# Allegro board pc065c_fibv2_toplevel_28.brd (continued)
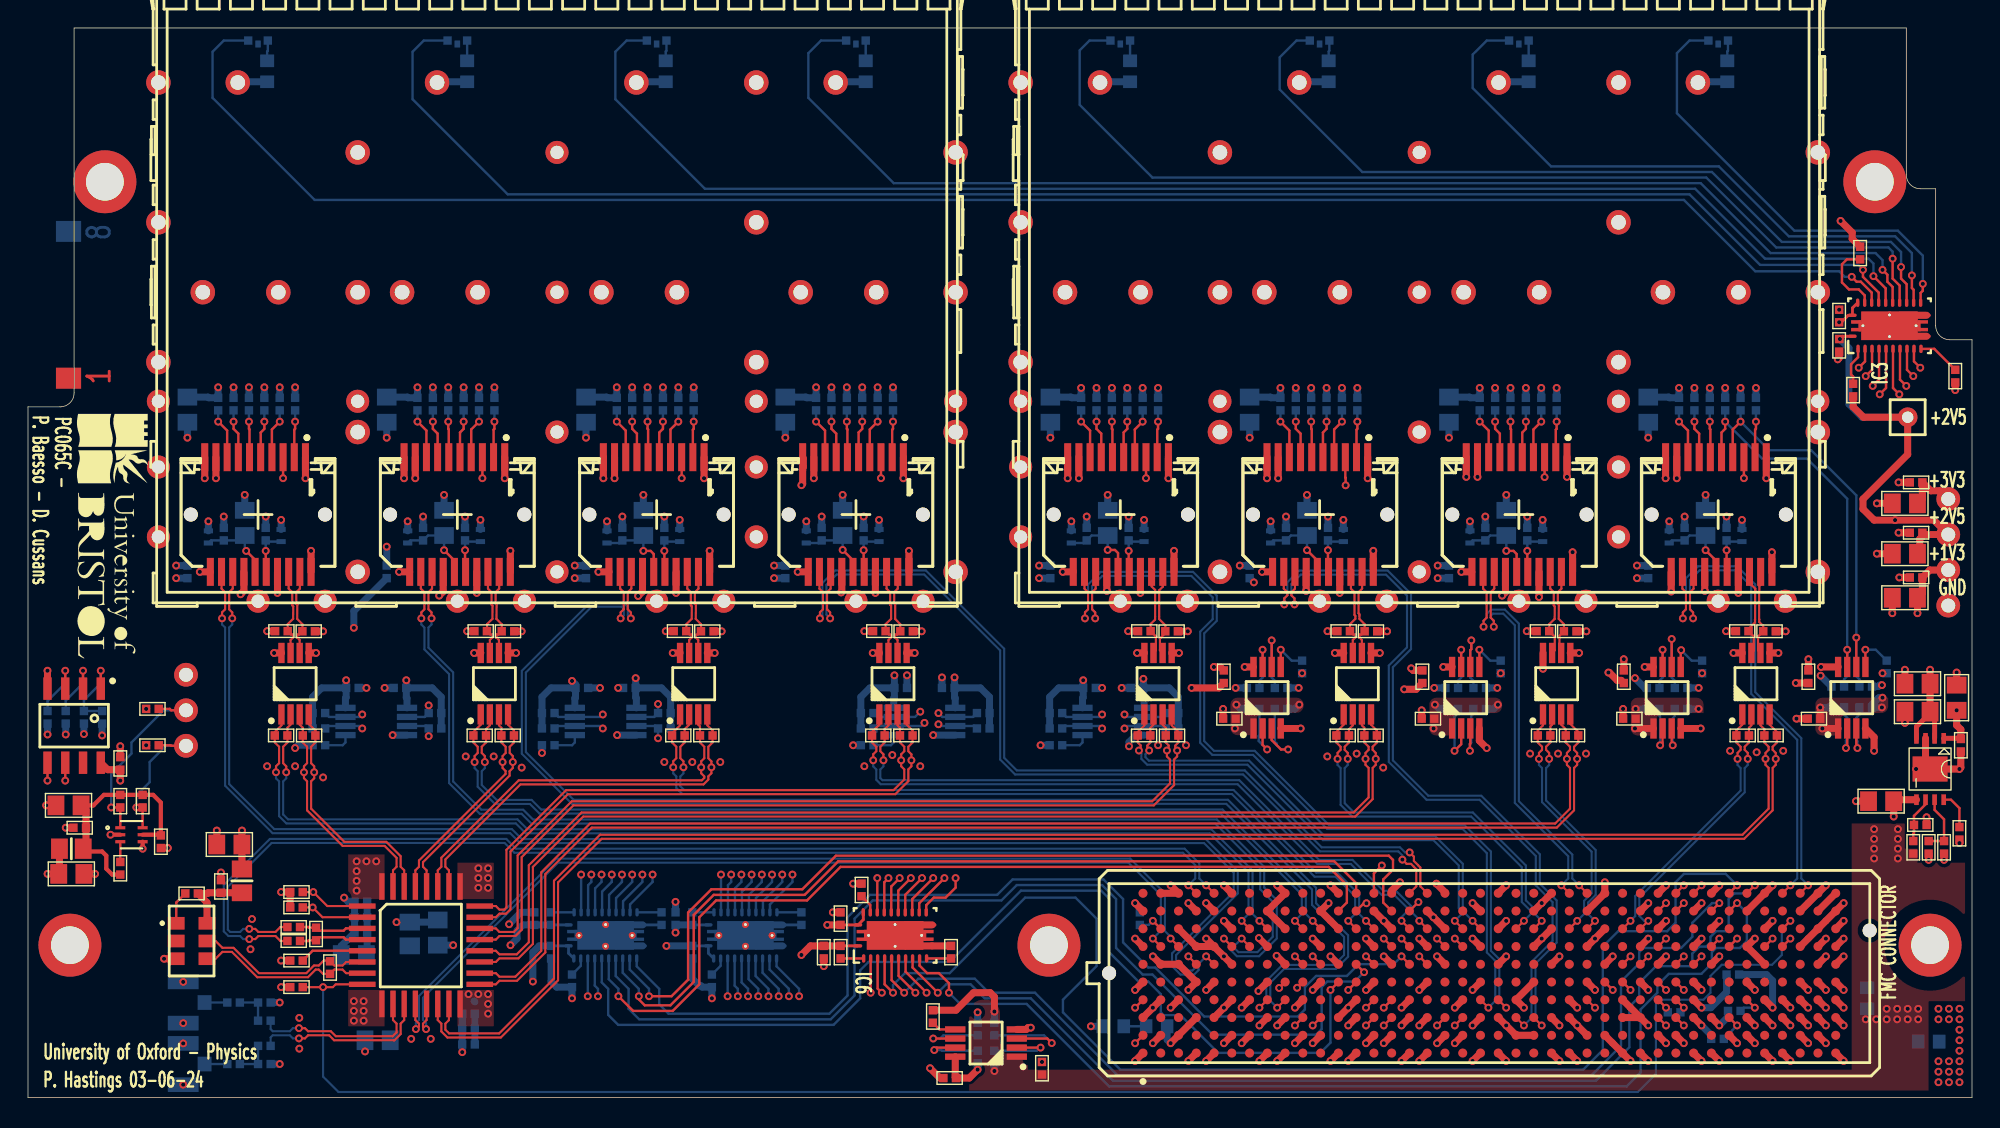
[diagram p0: board, top side]
## Routing (per net, layer and track width the routed paths; a pad name or vN(x,y) marks a point on that pad's centre or on a via; arc(x,y) is an arc through that point) (continued)
RD_FPGA_P<0>: length 102.1
  TOP w0.15: J2.F4 v1(82.97,10.1) ; J7.13 14.64,36.4 14.38,36.14 14.38,34.92 14.61,34.7 v1(14.61,34.27)
  BOTTOM w0.15: v1(14.61,34.27) 14.61,33.84 14.38,33.62 14.38,22.43 17.61,19.2 34.6,19.2 35.31,18.49 84.21,18.49 86.5,16.2 86.5,14.6 82.09,10.19 82.09,9.52 82.52,9.09 83.26,9.09 83.41,9.24 83.41,9.66 v1(82.97,10.1)
RD_FPGA_P<1>: length 87.9
  TOP w0.15: 86.08,10.8 v1(85.51,11.37) ; v1(28.86,34.27) 28.86,34.7 28.64,34.92 28.64,36.14 28.89,36.4 J12.13
  BOTTOM w0.15: v1(28.86,34.27) 28.86,33.84 28.64,33.62 28.64,32.18 30.4,30.41 30.4,22.61 32.42,20.59 35.41,20.59 36.11,19.89 85.01,19.89 88.39,16.51 88.39,15.02 89.29,14.12 89.29,11.38 88.02,10.11 86.44,10.11 86,10.55 86,10.88 v1(85.51,11.37)
RD_FPGA_P<2>: length 95.5
  TOP w0.15: J2.D8 v1(88.05,6.43) ; v1(43.1,34.27) 43.1,34.7 42.88,34.92 42.88,36.14 43.14,36.4 J16.13
  BOTTOM w0.15: v1(88.05,6.43) 88.54,6.92 88.54,8.34 89.69,9.49 93.39,9.49 94.1,10.2 94.1,11.49 91.81,13.78 91.81,14.88 85.68,21.01 38.89,21.01 35.31,24.59 35.31,30.52 40.19,35.4 42.57,35.4 42.89,35.08 42.89,34.49 v1(43.1,34.27)
RD_FPGA_P<3>: length 63.9
  TOP w0.15: v1(98.27,17.02) 98.58,16.71 98.89,16.71 99.1,16.5 99.1,16.5 99.27,16.34 99.27,15.11 98.78,14.62 ; J20.13 57.39,36.4 57.13,36.14 57.13,34.92 57.35,34.7 v1(57.35,34.27)
  BOTTOM w0.15: v1(57.35,34.27) 57.09,34.54 57.09,36.68 57.82,37.41 64.08,37.41 69.51,31.98 69.51,24.18 70.58,23.11 86.88,23.11 92.38,17.61 97.98,17.61 98.27,17.32 v1(98.27,17.02)
RD_FPGA_P<4>: length 62.3
  TOP w0.15: J36.13 76.34,36.4 76.08,36.14 76.08,34.92 76.31,34.7 v1(76.31,34.27) ; 103.86,7 v1(104.42,6.43)
  BOTTOM w0.15: v1(76.31,34.27) 76.31,34.71 76.08,34.93 76.08,36.57 76.82,37.31 83.18,37.31 84.71,35.78 84.71,34.22 83.81,33.32 83.81,25.38 84.68,24.51 87.59,24.51 92.89,19.21 102.58,19.21 104.31,17.48 104.31,10.38 104.91,9.78 104.91,6.92 v1(104.42,6.43)
RD_FPGA_P<5>: length 53.2
  TOP w0.15: v1(90.56,35.27) 90.56,35.7 90.33,35.92 90.33,36.14 90.59,36.4 J32.13 ; 106.39,5.72 v1(106.96,5.16)
  BOTTOM w0.15: v1(106.96,5.16) 107.5,5.7 107.5,9.7 109.01,11.21 109.01,13.98 107.81,15.18 107.81,17.28 103.79,21.3 100,21.3 97.3,24 97.3,30.9 98.6,32.2 98.6,35.9 97.1,37.4 91,37.4 90.33,36.73 90.33,35.93 90.56,35.71 v1(90.56,35.27)
RD_FPGA_P<6>: length 28.3
  TOP w0.15: v1(104.81,33.67) 104.81,34.1 104.58,34.32 104.58,36.14 104.84,36.4 J28.13 ; J2.K25 v1(109.64,15.18)
  BOTTOM w0.15: v1(109.64,15.18) 110.13,15.67 110.13,17.26 106.31,21.08 106.31,33.78 105.48,34.61 104.73,34.61 104.58,34.46 104.58,34.33 104.81,34.11 v1(104.81,33.67)
RD_FPGA_P<7>: length 35.3
  TOP w0.15: J24.13 119.09,36.4 118.83,36.14 118.83,34.92 119.06,34.7 v1(119.06,34.27) ; 125.44,14.62 v1(126.01,15.18)
  BOTTOM w0.15: v1(119.06,34.27) 119.06,34.71 118.83,34.93 118.83,37.02 119.52,37.71 122.08,37.71 123.21,36.58 123.21,28.88 126.5,25.59 126.5,15.67 v1(126.01,15.18)
SFP_FAULT<0>: length 63
  TOP w0.17: J7.2 19.04,47.77 19.1,47.83 v1(19.1,48.34)
  L3_SIG w0.17: v1(19.1,48.34) 19.1,26 25.2,19.9 43.5,19.9 47.45,15.95 v1(49.55,15.95)
  BOTTOM w0.17: R24.2 v1(19.1,48.34) ; IC5.3 v1(49.55,15.95)
SFP_FAULT<1>: length 72.8
  TOP w0.17: J12.2 33.29,47.77 33.35,47.83 v1(33.35,48.34)
  L3_SIG w0.17: v1(33.35,48.34) 31.91,46.9 26.1,46.9 22.4,43.2 22.4,40.3 19.5,37.4 19.5,26.2 25.4,20.3 43.7,20.3 47.1,16.9 49.82,16.9 50.28,16.44 v1(50.28,15.95)
  BOTTOM w0.17: v1(50.28,15.95) 50.28,15.42 50.05,15.19 IC5.4 ; R36.2 v1(33.35,48.34)
SFP_FAULT<2>: length 87
  TOP w0.17: J16.2 47.54,47.77 47.6,47.83 v1(47.6,48.34)
  L3_SIG w0.17: v1(47.6,48.34) 46.95,47.7 41.3,47.7 40.1,46.5 26.2,46.5 22.8,43.1 22.8,40.2 19.9,37.3 19.9,26.4 25.6,20.7 43.9,20.7 47.3,17.3 50.4,17.3 51.01,16.69 v1(51.01,15.95)
  BOTTOM w0.17: v1(51.01,15.95) 51.01,15.42 50.55,14.96 IC5.5 ; R44.2 v1(47.6,48.34)
SFP_FAULT<3>: length 100.5
  TOP w0.17: J20.2 61.79,47.77 61.85,47.83 v1(61.85,48.34)
  L3_SIG w0.17: v1(51.74,15.95) 51.74,16.66 50.7,17.7 47.5,17.7 44.1,21.1 25.8,21.1 22,24.9 22,33.7 22.8,34.5 22.8,35.9 21.8,36.9 21.8,38.6 23.2,40 23.2,43 26.3,46.1 46.4,46.1 48.1,47.8 61.3,47.8 v1(61.85,48.34)
  BOTTOM w0.17: R52.2 v1(61.85,48.34) ; v1(51.74,15.95) 51.74,15.42 51.05,14.73 IC5.6
SFP_FAULT<4>: length 120.6
  TOP w0.17: v1(80.8,48.34) 80.8,47.83 80.74,47.77 J36.2
  L3_SIG w0.17: v1(80.8,48.34) 78.75,46.3 72.8,46.3 71.9,47.2 68.5,47.2 67.6,46.3 53.8,46.3 53.1,47 47.9,47 46.3,45.4 26.2,45.4 24,43.2 24,40.2 22.2,38.4 22.2,37.1 23.2,36.1 23.2,34.3 22.4,33.5 22.4,31.4 23.3,30.5 23.3,24.2 26,21.5 44.3,21.5 47.7,18.1 51.1,18.1 52.47,16.73 v1(52.47,15.95)
  BOTTOM w0.17: v1(52.47,15.95) 52.47,15.42 51.55,14.5 IC5.7 ; R125.2 v1(80.8,48.34)
SFP_FAULT<5>: length 131.7
  TOP w0.17: J32.2 94.99,47.77 95.05,47.83 v1(95.05,48.34)
  L3_SIG w0.17: v1(95.05,48.34) 92.5,45.8 72.6,45.8 71.9,46.5 68.6,46.5 67.9,45.8 53.4,45.8 52.8,46.4 48,46.4 46.5,44.9 26.5,44.9 24.8,43.2 24.8,23.3 26.2,21.9 44.5,21.9 47.9,18.5 51.3,18.5 53.2,16.6 v1(53.2,15.95)
  BOTTOM w0.17: IC5.8 52.05,14.27 53.2,15.42 v1(53.2,15.95) ; R117.2 v1(95.05,48.34)
SFP_FAULT<6>: length 142
  TOP w0.17: v1(109.3,48.34) 109.3,47.83 109.24,47.77 J28.2
  L3_SIG w0.17: v1(109.3,48.34) 106.66,45.7 95.3,45.7 94.5,44.9 73,44.9 71.7,43.6 70.3,43.6 68.6,45.3 55.6,45.3 54,43.7 45.1,43.7 45,43.8 42.7,43.8 41.9,43 30.8,43 27.2,39.4 26.7,39.4 25.7,38.4 25.7,30.1 26.6,29.2 26.6,23.5 27.8,22.3 44.7,22.3 48.1,18.9 51.6,18.9 53.93,16.57 v1(53.93,15.95)
  BOTTOM w0.17: R109.2 v1(109.3,48.34) ; v1(53.93,15.95) 53.93,15.42 52.55,14.04 IC5.9
SFP_FAULT<7>: length 155.2
  TOP w0.17: v1(123.55,48.34) 123.55,47.83 123.49,47.77 J24.2
  L3_SIG w0.17: v1(123.55,48.34) 121.9,46.7 121.9,46.67 121.73,46.5 108.2,46.5 106.8,45.1 97.8,45.1 95.7,43 93.2,43 92.3,43.9 90.1,43.9 89.6,43.4 78.4,43.4 78.1,43.7 72.8,43.7 71.9,42.8 69,42.8 68.1,43.7 56.9,43.7 56.2,43 45.4,43 42.6,40.2 28.9,40.2 27.9,39.2 27.9,36 27.2,35.3 27.2,31.5 28,30.7 28,27.8 27.4,27.2 27.4,23.6 28.2,22.8 44.8,22.8 48.3,19.3 51.9,19.3 54.66,16.54 v1(54.66,15.95)
  BOTTOM w0.17: R101.2 v1(123.55,48.34) ; v1(54.66,15.95) 54.66,15.42 53.05,13.81 IC5.10
SFP_FAULT_FPGA<0>: length 94.3
  TOP w0.17: 91.16,8.27 v1(90.75,7.86)
  L6_SIG w0.17: v1(90.75,7.86) 92.7,5.9 102.7,5.9 104.5,7.7 104.5,18.5 101.2,21.8 73.3,21.8 66.2,14.7 52.3,14.7 50.02,12.42 v1(50.02,7.25)
  BOTTOM w0.17: IC5.21 v1(50.02,7.25)
SFP_FAULT_FPGA<1>: length 90.7
  TOP w0.17: J2.F11 v1(91.86,10.1)
  L6_SIG w0.17: v1(50.76,7.25) 50.76,11.05 54,14.3 66.4,14.3 73.5,21.4 101,21.4 104,18.4 104,9.3 101.8,7.1 92.9,7.1 92.5,7.5 92.5,9.46 v1(91.86,10.1)
  BOTTOM w0.17: IC5.20 50.52,8.01 50.76,7.78 v1(50.76,7.25)
SFP_FAULT_FPGA<2>: length 80.9
  TOP w0.17: 94.97,8.27 v1(94.4,7.7)
  L6_SIG w0.17: v1(51.48,7.25) 51.48,9.09 56.3,13.9 66.7,13.9 73.74,20.94 100.13,20.94 102.7,18.37 102.7,9.1 102,8.4 95.1,8.4 v1(94.4,7.7)
  BOTTOM w0.17: v1(51.48,7.25) 51.48,7.78 51.02,8.24 IC5.19
SFP_FAULT_FPGA<3>: length 55.3
  TOP w0.17: v1(95.7,13.9) 95.52,13.9 94.97,13.35
  L6_SIG w0.17: v1(52.22,7.25) 52.22,6.58 52.4,6.4 55.7,6.4 58.7,9.4 65.1,9.4 74.5,18.8 88.4,18.8 92.7,14.5 95.1,14.5 v1(95.7,13.9)
  BOTTOM w0.17: v1(52.22,7.25) 52.22,7.78 51.52,8.47 IC5.18
SFP_FAULT_FPGA<4>: length 74.7
  TOP w0.17: J2.F14 v1(95.67,10.1)
  L6_SIG w0.17: v1(95.67,10.1) 96.27,9.5 101.23,9.5 101.4,9.67 101.4,18.13 99.03,20.5 73.9,20.5 66.9,13.5 59.62,13.5 57.5,11.38 54.68,11.38 52.95,9.64 v1(52.95,7.25)
  BOTTOM w0.17: IC5.17 52.02,8.7 52.95,7.78 v1(52.95,7.25)
SFP_FAULT_FPGA<5>: length 56.6
  TOP w0.17: v1(96.8,16.6) 96.23,16.04 J2.K14
  L6_SIG w0.17: v1(53.67,7.25) 53.67,9.68 54.9,10.9 57.6,10.9 59.87,13.17 67.07,13.17 73.9,20 93.4,20 v1(96.8,16.6)
  BOTTOM w0.17: IC5.16 52.52,8.93 53.67,7.78 v1(53.67,7.25)
SFP_FAULT_FPGA<6>: length 57.1
  TOP w0.17: 98.78,13.35 v1(99.42,13.98)
  L6_SIG w0.17: v1(54.41,7.25) 54.41,8.08 56.52,10.2 64.7,10.2 74.1,19.6 92.4,19.6 98.02,13.98 v1(99.42,13.98)
  BOTTOM w0.17: IC5.15 53.02,9.16 54.41,7.78 v1(54.41,7.25)
SFP_FAULT_FPGA<7>: length 58.6
  TOP w0.17: J2.F17 v1(99.48,10.1)
  L6_SIG w0.17: v1(55.13,7.25) 55.63,7.25 58.18,9.8 64.9,9.8 74.3,19.2 91.7,19.2 97.4,13.5 98.4,13.5 98.9,13 98.9,10.68 v1(99.48,10.1)
  BOTTOM w0.17: IC5.14 53.52,9.39 55.13,7.78 v1(55.13,7.25)
SFP_I2C_SCL<0>: length 32.1
  TOP w0.17: J7.5 16.64,47.57 16.9,47.83 v1(16.9,48.34)
  L6_SIG w0.17: v1(16.9,48.34) 16.9,46.6 19.1,44.4 19.1,42.2 19.4,41.9 19.4,28.6 20.6,27.4 v1(23.9,27.4)
  BOTTOM w0.17: v1(23.9,27.4) 23.9,27.39 23.73,27.23 IC12.7 21.52,27.23 R140.1 ; R27.1 v1(16.9,48.34)
SFP_I2C_SCL<1>: length 34.6
  TOP w0.17: J12.5 30.89,47.57 31.15,47.83 v1(31.15,48.34)
  L6_SIG w0.17: v1(31.15,48.34) 31.15,47.45 33.2,45.4 33.2,44.2 34,43.4 34,40.8 35.6,39.2 39.8,39.2 40.1,38.9 40.1,28.4 v1(41.1,27.4)
  BOTTOM w0.17: v1(41.1,27.4) 40.92,27.23 IC14.7 37.92,27.23 R145.1 ; R39.1 v1(31.15,48.34)
SFP_I2C_SCL<2>: length 42.4
  TOP w0.17: J16.5 45.14,47.57 45.4,47.83 v1(45.4,48.34)
  L6_SIG w0.17: v1(63.8,27.6) 62.8,27.6 62.15,28.25 51.29,28.25 47.7,31.84 47.7,44.5 45.4,46.8 v1(45.4,48.34)
  BOTTOM w0.17: v1(63.8,27.6) 63.42,27.23 IC15.7 60.73,27.23 R150.1 ; R47.1 v1(45.4,48.34)
SFP_I2C_SCL<3>: length 47.5
  TOP w0.17: J20.5 59.39,47.57 59.65,47.83 v1(59.65,48.34)
  L6_SIG w0.17: v1(76.8,27.4) 75.6,27.4 74.7,28.3 74.7,34.9 75.52,35.72 75.52,39.32 77.22,41.02 77.22,41.98 76.62,42.58 76.62,45.28 75.98,45.92 73.28,45.92 72.08,47.12 68.02,47.12 67.12,46.22 64.98,46.22 61.8,49.4 60.1,49.4 59.65,48.95 v1(59.65,48.34)
  BOTTOM w0.17: R55.1 v1(59.65,48.34) ; R155.1 74.22,27.23 IC16.7 76.62,27.23 v1(76.8,27.4)
SFP_I2C_SCL<4>: length 28.5
  TOP w0.17: 88.28,30.8 v1(88.28,32.03) ; v1(78.6,48.34) 78.6,47.83 78.34,47.57 J36.5
  L6_SIG w0.17: v1(88.28,32.03) 88.28,33.13 87,34.4 85.8,34.4 82.7,37.5 82.7,40 80.8,41.9 80.8,44.8 78.6,47 v1(78.6,48.34)
  BOTTOM w0.17: R128.1 v1(78.6,48.34) ; v1(88.28,32.03) 88.28,30.04 88.05,29.81 R160.1
SFP_I2C_SCL<5>: length 31.6
  TOP w0.17: IC18.7 v1(102.47,32.03) ; v1(92.85,48.34) 92.85,47.83 92.59,47.57 J32.5
  L6_SIG w0.17: v1(92.85,48.34) 92.85,46.05 94.9,44 94.9,42.2 97,40.1 97,37.6 96,36.6 96,33.5 97.1,32.4 102.11,32.4 v1(102.47,32.03)
  BOTTOM w0.17: R120.1 v1(92.85,48.34) ; R165.1 102.25,29.81 102.47,30.04 v1(102.47,32.03)
SFP_I2C_SCL<6>: length 27.9
  TOP w0.17: v1(107.1,48.34) 107.1,47.83 106.84,47.57 J28.5 ; IC19.7 v1(116.88,32.03)
  L6_SIG w0.17: v1(116.88,32.03) 116,32.91 116,39.45 v1(107.1,48.34)
  BOTTOM w0.17: R112.1 v1(107.1,48.34) ; R170.1 116.65,29.81 116.88,30.04 v1(116.88,32.03)
SFP_I2C_SCL<7>: length 29.2
  TOP w0.17: v1(121.35,48.34) 121.35,47.83 121.09,47.57 J24.5 ; 130.07,30.8 v1(130.07,32.03)
  BOTTOM w0.17: R175.1 129.85,29.91 130.07,30.14 v1(130.07,32.03) 130.07,42.83 127.2,45.7 124,45.7 v1(121.35,48.34) R104.1
SFP_I2C_SCL_CVCC<0>: length 87.8
  TOP w0.17: 92.42,5.72 v1(91.86,5.16)
  L3_SIG w0.17: v1(91.86,5.16) 91.2,4.5 91.2,3.5 91,3.3 78.8,3.3 75.8,6.3 75.8,10.1 76.9,11.2 76.9,14.1 69.9,21.1 59.8,21.1 56.2,24.7 38.3,24.7 37.7,25.3 30.9,25.3 29.95,24.35 28.25,24.35 27.9,24.7 27.9,26 28.65,26.75 v1(28.65,28.05)
  BOTTOM w0.17: IC12.2 28.38,27.23 R137.1 v1(28.65,28.05)
SFP_I2C_SCL_CVCC<1>: length 75.9
  TOP w0.17: 98.78,10.8 v1(98.21,11.37)
  L3_SIG w0.17: v1(45.05,28.15) 57.75,28.15 60.8,31.2 83.2,31.2 84.4,30 89.3,30 90.7,31.4 92.5,31.4 98.2,25.7 98.2,18.2 97.5,17.5 97.5,12.08 v1(98.21,11.37)
  BOTTOM w0.17: IC14.2 44.77,27.23 R142.1 v1(45.05,28.15)
SFP_I2C_SCL_CVCC<2>: length 50
  TOP w0.17: 97.5,5.72 v1(96.94,5.16)
  L3_SIG w0.17: v1(65.1,27.5) 68.3,27.5 72.4,23.4 85.6,23.4 91.2,17.8 91.2,12.17 91.37,12 92.2,12 94.9,9.3 94.9,8.43 95.1,8.23 95.1,6 95.3,5.8 95.81,5.8 96.45,5.16 v1(96.94,5.16)
  BOTTOM w0.17: R147.1 67.58,27.23 IC15.2 65.38,27.23 v1(65.1,27.5)
SFP_I2C_SCL_CVCC<3>: length 104.8
  TOP w0.17: 121.64,10.8 v1(122.2,11.37)
  L3_SIG w0.17: v1(122.2,11.37) 122.2,6.4 121.5,5.7 114.1,5.7 113.7,5.3 113.7,2.7 112.5,1.5 96.4,1.5 92.1,5.8 83.1,5.8 78,10.9 78,14.7 67.8,24.9 63.3,24.9 61.9,26.3 61.9,28.2 62.9,29.2 71.2,29.2 72.3,28.1 77.7,28.1 v1(78.4,27.4)
  BOTTOM w0.17: v1(78.4,27.4) 78.58,27.23 IC16.2 81.08,27.23 R152.1
SFP_I2C_SCL_CVCC<4>: length 34.2
  TOP w0.17: 102.58,5.72 v1(102.02,5.16) ; 88.28,26.4 88.28,25.23 v1(88.6,24.9)
  L3_SIG w0.17: v1(88.6,24.9) 89.2,25.5 90.3,25.5 92.8,23 92.8,17 93.7,16.1 93.7,12.4 95.4,10.7 97.33,10.7 97.6,10.43 97.6,9.8 98.5,8.9 99.1,8.9 101.2,6.8 101.2,5.98 v1(102.02,5.16)
  BOTTOM w0.17: R157.1 88.05,25.91 88,25.86 88,25.5 v1(88.6,24.9)
SFP_I2C_SCL_CVCC<5>: length 36.6
  TOP w0.17: J2.D15 v1(96.94,6.43) ; IC18.2 102.47,25.27 v1(102,24.8)
  L3_SIG w0.17: v1(102,24.8) 102,17.6 98.8,14.4 98.8,9.9 99.6,9.1 100.3,9.1 102.7,6.7 102.7,5 102.2,4.5 100.4,4.5 100.1,4.8 100.1,5.6 98.6,7.1 97.61,7.1 v1(96.94,6.43)
  BOTTOM w0.17: R162.1 102.25,27.49 102,27.24 v1(102,24.8)
SFP_I2C_SCL_CVCC<6>: length 27.2
  TOP w0.15: J2.G19 v1(102.02,11.37) ; IC19.2 116.88,25.38 v1(116.7,25.2)
  L3_SIG w0.15: v1(102.02,11.37) 102.55,11.9 107,11.9 107.6,12.5 107.6,16.1 v1(116.7,25.2)
  BOTTOM w0.15: R167.1 116.65,27.29 116.7,27.24 v1(116.7,25.2)
SFP_I2C_SCL_CVCC<7>: length 21.3
  TOP w0.17: 130.07,26.4 130.07,25.09 v1(129.99,25) ; J2.G37 v1(126.01,11.37)
  L3_SIG w0.17: v1(129.99,25) 129.99,18.08 128,16.1 128,12.1 127.27,11.37 v1(126.01,11.37)
  BOTTOM w0.17: v1(129.99,25) 129.99,25.54 130.07,25.63 130.07,27.16 129.85,27.39 R172.1
SFP_I2C_SDA<0>: length 31.5
  TOP w0.17: J7.4 17.44,47.78 v1(18,48.34)
  L6_SIG w0.17: v1(23.9,26.4) 24.5,27 24.5,28.6 24.8,28.9 24.8,40.26 18,47.06 v1(18,48.34)
  BOTTOM w0.17: R139.1 21.43,26.57 IC12.6 23.73,26.57 v1(23.9,26.4) ; R28.1 v1(18,48.34)
SFP_I2C_SDA<1>: length 35
  TOP w0.17: v1(32.25,48.34) 31.69,47.78 J12.4
  L6_SIG w0.17: v1(41.1,26.4) 41.9,27.2 41.9,28.5 41.5,28.9 41.5,39.2 40.3,40.4 38.4,40.4 36.8,42 36.8,43.6 34.6,45.8 33.9,45.8 32.25,47.45 v1(32.25,48.34)
  BOTTOM w0.17: R144.1 37.83,26.57 IC14.6 40.92,26.57 v1(41.1,26.4) ; R40.1 v1(32.25,48.34)
SFP_I2C_SDA<2>: length 44.3
  TOP w0.17: v1(46.5,48.34) 45.94,47.78 J16.4
  L6_SIG w0.17: v1(46.5,48.34) 46.5,46.65 47.35,45.8 48.5,45.8 49.2,45.1 49.2,43.3 48.4,42.5 48.4,40.8 49.3,39.9 49.3,38.35 51.55,36.1 51.55,30.45 52.8,29.2 63.7,29.2 64.52,28.38 64.52,27.22 v1(64.1,26.8)
  BOTTOM w0.17: R48.1 v1(46.5,48.34) ; R149.1 60.62,26.57 IC15.6 63.88,26.57 v1(64.1,26.8)
SFP_I2C_SDA<3>: length 46.1
  TOP w0.17: J20.4 60.19,47.78 v1(60.75,48.34)
  L6_SIG w0.17: v1(76.8,26.4) 75.27,26.4 74.2,27.47 74.2,35.1 75.1,36 75.1,39.5 76.8,41.2 76.8,41.8 76.2,42.4 76.2,45.1 75.8,45.5 73.1,45.5 71.9,46.7 68.2,46.7 67.3,45.8 63.3,45.8 v1(60.75,48.34)
  BOTTOM w0.17: R154.1 74.12,26.57 IC16.6 76.62,26.57 v1(76.8,26.4) ; R56.1 v1(60.75,48.34)
SFP_I2C_SDA<4>: length 31.3
  TOP w0.17: J36.4 79.14,47.78 v1(79.7,48.34) ; IC17.6 v1(88.92,32.7)
  L6_SIG w0.17: v1(88.92,32.7) 88.92,34.08 87.5,35.5 85.47,35.5 83.6,37.37 83.6,39.5 84.5,40.4 84.5,43.6 83,45.1 81.5,45.1 79.7,46.9 v1(79.7,48.34)
  BOTTOM w0.17: R129.1 v1(79.7,48.34) ; R159.1 89.15,29.81 88.92,30.04 v1(88.92,32.7)
SFP_I2C_SDA<5>: length 30.7
  TOP w0.17: v1(93.95,48.34) 93.39,47.78 J32.4 ; v1(103.2,32.7) 103.2,32.08 103.12,32 IC18.6
  L6_SIG w0.17: v1(93.95,48.34) 93.95,46.25 95,45.2 97.1,45.2 98.5,43.8 98.5,40.2 98.1,39.8 98.1,36.8 99.2,35.7 100.2,35.7 v1(103.2,32.7)
  BOTTOM w0.17: R164.1 103.35,29.81 103.12,30.04 103.12,32 103.2,32.08 v1(103.2,32.7) ; R121.1 v1(93.95,48.34)
SFP_I2C_SDA<6>: length 28.6
  TOP w0.17: IC19.6 v1(117.53,32.8) ; J28.4 107.64,47.78 v1(108.2,48.34)
  L6_SIG w0.17: v1(108.2,48.34) 108.2,47.85 116.9,39.15 116.9,33.42 v1(117.53,32.8)
  BOTTOM w0.17: R113.1 v1(108.2,48.34) ; R169.1 117.75,29.81 117.53,30.04 v1(117.53,32.8)
SFP_I2C_SDA<7>: length 29.9
  TOP w0.17: J24.4 121.89,47.78 v1(122.45,48.34) ; IC20.6 v1(130.72,32.9)
  BOTTOM w0.17: R174.1 130.95,29.91 130.72,30.14 v1(130.72,32.9) 130.72,43.08 127.5,46.3 124.5,46.3 v1(122.45,48.34) R105.1
SFP_I2C_SDA_CVCC<0>: length 80.4
  TOP w0.17: 91.16,5.72 v1(90.59,5.16)
  L3_SIG w0.17: v1(90.59,5.16) 89.93,4.5 78.2,4.5 76.3,6.4 76.3,9.7 77.5,10.9 77.5,14.4 70.4,21.5 60.4,21.5 56.8,25.1 39.2,25.1 38.45,25.85 v1(28.65,25.85)
  BOTTOM w0.17: IC12.3 28.48,26.57 R136.1 v1(28.65,25.85)
SFP_I2C_SDA_CVCC<1>: length 76.9
  TOP w0.17: J2.G15 v1(96.94,11.37)
  L3_SIG w0.17: v1(96.94,11.37) 96.3,12.01 96.3,14.8 96.1,15 96.1,17.2 97.5,18.6 97.5,25.7 92.3,30.9 90.8,30.9 88.6,28.7 84.9,28.7 82.8,30.8 61.5,30.8 56.4,25.7 v1(45.05,25.7)
  BOTTOM w0.17: v1(45.05,25.7) R141.1 44.88,26.57 IC14.3
SFP_I2C_SDA_CVCC<2>: length 49.7
  TOP w0.17: 96.23,5.72 v1(95.67,5.16)
  L3_SIG w0.17: v1(95.67,5.16) 95.18,5.16 94.54,5.8 94.2,5.8 93.8,6.2 93.8,8.5 93.4,8.9 90.7,8.9 90,9.6 90,18.4 85.5,22.9 71.5,22.9 67.7,26.7 v1(65.1,26.7)
  BOTTOM w0.17: v1(65.1,26.7) 65.22,26.57 IC15.3 67.67,26.57 R146.1
SFP_I2C_SDA_CVCC<3>: length 101
  TOP w0.17: J2.G33 v1(120.93,11.37)
  L3_SIG w0.17: v1(120.93,11.37) 120.41,10.85 120.41,7.51 119.9,7 113.4,7 112.7,6.3 112.7,2.8 111.8,1.9 96.6,1.9 91.5,7 82.7,7 78.4,11.3 78.4,15.1 68.2,25.3 63.7,25.3 62.9,26.1 62.9,27.79 63.31,28.2 70.78,28.2 73.48,25.5 77.5,25.5 v1(78.4,26.4)
  BOTTOM w0.17: v1(78.4,26.4) 78.58,26.57 IC16.3 81.17,26.57 R151.1
SFP_I2C_SDA_CVCC<4>: length 32
  TOP w0.17: 101.31,5.72 v1(100.75,5.16) ; v1(90.1,24.9) 89.59,24.9 88.92,25.57 IC17.3
  L3_SIG w0.17: v1(90.1,24.9) 91.9,23.1 91.9,13.7 93.1,12.5 93.1,11.8 95.4,9.5 96.9,9.5 100.75,5.65 v1(100.75,5.16)
  BOTTOM w0.17: 89.3,25.2 89.59,24.9 v1(90.1,24.9) ; 89.3,25.2 89.15,25.34 89.15,25.45 ; 89.3,25.2 89.3,25.31 89.15,25.45 ; R156.1 89.15,25.45
SFP_I2C_SDA_CVCC<5>: length 39.3
  TOP w0.17: J2.D14 v1(95.67,6.43) ; v1(103.1,24.8) 103.1,25.29 103.12,25.32 IC18.3
  L3_SIG w0.17: v1(103.1,24.8) 103.1,14.6 100.1,11.6 100.1,9.9 103.9,6.1 103.9,4.7 102.4,3.2 99.9,3.2 98.8,4.3 98.8,5.4 98.4,5.8 96.79,5.8 96.16,6.43 v1(95.67,6.43)
  BOTTOM w0.17: R161.1 103.35,27.49 103.19,27.33 103.19,25.39 103.1,25.29 v1(103.1,24.8)
SFP_I2C_SDA_CVCC<6>: length 31
  TOP w0.15: IC19.3 117.53,25.27 v1(117.6,25.2) ; J2.G18 v1(100.75,11.37)
  L3_SIG w0.15: v1(100.75,11.37) 101.42,10.7 108.5,10.7 109.1,11.3 109.1,16.7 v1(117.6,25.2)
  BOTTOM w0.15: v1(117.6,25.2) 117.6,27.14 117.75,27.29 R166.1
SFP_I2C_SDA_CVCC<7>: length 25.2
  TOP w0.17: v1(130.81,25) 130.72,25.08 IC20.3 ; J2.G36 v1(124.74,11.37)
  L3_SIG w0.17: v1(124.74,11.37) 125.41,10.7 128.93,10.7 129.2,10.97 129.2,16.3 131.3,18.4 131.3,24.5 v1(130.81,25)
  BOTTOM w0.17: v1(130.81,25) 130.81,25.49 130.72,25.57 130.72,27.16 130.95,27.39 R171.1
SFP_LOS<0>: length 61
  TOP w0.17: v1(13.6,48.34) 14.24,47.7 J7.8
  L3_SIG w0.17: v1(13.6,48.34) 13.6,46.4 16.2,43.8 16.2,38.4 13.2,35.4 13.2,33.6 15.9,30.9 15.9,24.1 20.5,19.5 35.5,19.5 39.05,15.95 v1(39.55,15.95)
  BOTTOM w0.17: IC4.3 v1(39.55,15.95) ; R25.2 v1(13.6,48.34)
SFP_LOS<1>: length 83.1
  TOP w0.17: v1(27.85,48.34) 28.49,47.7 J12.8
  L3_SIG w0.17: v1(40.28,15.95) 40.28,15.37 40.11,15.2 39.1,15.2 35.2,19.1 20.2,19.1 15.5,23.8 15.5,30.7 12.8,33.4 12.8,35.7 15,37.9 15,42.8 14.8,43 14.8,44.5 12.8,46.5 12.8,50.9 14,52.1 25.1,52.1 27.85,49.35 v1(27.85,48.34)
  BOTTOM w0.17: IC4.4 40.05,15.19 40.28,15.42 v1(40.28,15.95) ; R37.2 v1(27.85,48.34)
SFP_LOS<2>: length 101.1
  TOP w0.17: J16.8 42.74,47.7 v1(42.1,48.34)
  L3_SIG w0.17: v1(41.01,15.95) 41.01,15.2 40.61,14.8 38.6,14.8 34.7,18.7 20,18.7 15.1,23.6 15.1,30.5 12.3,33.3 12.3,35.9 14.6,38.2 14.6,42.5 14.3,42.8 14.3,44.3 12.4,46.2 12.4,51.8 14.5,53.9 34.6,53.9 40.16,48.34 v1(42.1,48.34)
  BOTTOM w0.17: v1(41.01,15.95) 41.01,15.42 40.55,14.96 IC4.5 ; R45.2 v1(42.1,48.34)
SFP_LOS<3>: length 119.8
  TOP w0.17: J20.8 56.99,47.7 v1(56.35,48.34)
  L3_SIG w0.17: v1(56.35,48.34) 55.49,49.2 55.47,49.2 55.3,49.37 55.3,53.3 54.2,54.4 14.4,54.4 12,52 12,44.2 10.4,42.6 10.4,41.4 11.7,40.1 11.7,33.3 14.7,30.3 14.7,23.3 19.7,18.3 34.4,18.3 38.3,14.4 41.04,14.4 41.74,15.1 v1(41.74,15.95)
  BOTTOM w0.17: R53.2 v1(56.35,48.34) ; v1(41.74,15.95) 41.74,15.42 41.05,14.73 IC4.6
SFP_LOS<4>: length 140.3
  TOP w0.17: J36.8 75.94,47.7 v1(75.3,48.34)
  L3_SIG w0.17: v1(42.47,15.95) 42.47,14.87 41.6,14 38.1,14 34.2,17.9 19.4,17.9 14.3,23 14.3,30 11.3,33 11.3,39.7 9.8,41.2 9.8,42.7 11.2,44.1 11.2,46 10.6,46.6 10.6,47.9 11.1,48.4 11.1,52.5 13.5,54.9 63.6,54.9 70.16,48.34 v1(75.3,48.34)
  BOTTOM w0.17: IC4.7 41.55,14.5 42.47,15.42 v1(42.47,15.95) ; R126.2 v1(75.3,48.34)
SFP_LOS<5>: length 158.3
  TOP w0.17: J32.8 90.19,47.7 v1(89.55,48.34)
  L3_SIG w0.17: v1(89.55,48.34) 88.55,48.34 81.5,55.4 13.4,55.4 10.7,52.7 10.7,48.7 10.2,48.2 10.2,46.3 10.8,45.7 10.8,44.4 8.2,41.8 8.2,35.4 13.8,29.8 13.8,22.9 19.2,17.5 33.9,17.5 37.8,13.6 42.1,13.6 43.2,14.7 v1(43.2,15.95)
  BOTTOM w0.17: R118.2 v1(89.55,48.34) ; IC4.8 42.05,14.27 43.2,15.42 v1(43.2,15.95)
SFP_LOS<6>: length 181.1
  TOP w0.17: J28.8 104.44,47.7 v1(103.8,48.34)
  L3_SIG w0.17: v1(103.8,48.34) 102.8,48.34 95.34,55.8 9.4,55.8 7.5,53.9 7.5,35.3 9.7,33.1 9.7,23.8 11.1,22.4 13.7,22.4 19.5,16.6 19.5,13.5 20,13 24.1,13 24.9,13.8 36.9,13.8 37.5,13.2 42.6,13.2 43.93,14.53 v1(43.93,15.95)
  BOTTOM w0.17: R110.2 v1(103.8,48.34) ; v1(43.93,15.95) 43.93,15.42 42.55,14.04 IC4.9
SFP_LOS<7>: length 200.8
  TOP w0.17: J24.8 118.69,47.7 v1(118.05,48.34)
  L3_SIG w0.17: v1(44.66,15.95) 44.66,14.46 42,11.8 40.8,11.8 39.8,12.8 37.3,12.8 36.8,13.3 25.1,13.3 24.4,12.6 19.7,12.6 19,13.3 19,16.5 13.7,21.8 10.7,21.8 9.2,23.3 9.2,32.9 7.1,35 7.1,54.1 9.2,56.2 113.2,56.2 117,52.4 117,49.4 v1(118.05,48.34)
  BOTTOM w0.17: v1(44.66,15.95) 44.66,15.42 43.05,13.81 IC4.10 ; R102.2 v1(118.05,48.34)
SFP_LOS_FPGA<0>: length 68.5
  TOP w0.17: 89.89,8.27 v1(89.46,7.84)
  L6_SIG w0.17: v1(89.46,7.84) 89.95,8.33 89.95,15.45 88.5,16.9 74,16.9 65.7,8.6 59.7,8.6 55.9,4.8 41.1,4.8 40.02,5.88 v1(40.02,7.25)
  BOTTOM w0.17: IC4.21 v1(40.02,7.25)
SFP_LOS_FPGA<1>: length 66.6
  TOP w0.17: J2.F10 v1(90.59,10.1)
  L6_SIG w0.17: v1(40.76,7.25) 40.76,6.18 41.4,5.53 55.73,5.53 59.23,9.03 65.43,9.03 74.03,17.63 88.5,17.63 91.2,14.93 91.2,10.71 v1(90.59,10.1)
  BOTTOM w0.17: IC4.20 40.52,8.01 40.76,7.78 v1(40.76,7.25)
SFP_LOS_FPGA<2>: length 74
  TOP w0.17: 93.69,8.27 v1(93.13,7.7)
  BOTTOM w0.17: IC4.19 41.02,8.24 41.48,7.78 41.48,5.92 42.2,5.2 57.6,5.2 59.5,7.1 59.5,9.1 60.1,9.7 65.9,9.7 71,14.8 76.73,14.8 77.3,14.23 77.3,10.4 79.4,8.3 80.1,8.3 81,7.4 81,6.1 81.2,5.9 82.4,5.9 85.1,3.2 92.4,3.2 93.13,3.93 v1(93.13,7.7)
SFP_LOS_FPGA<3>: length 65.2
  TOP w0.17: v1(42.22,7.25) 43.27,6.2 46.1,6.2 48,8.1 48,12.9 49.2,14.1 55.7,14.1 58.1,16.5 93,16.5 94.3,15.2 94.3,13.95 93.69,13.35
  BOTTOM w0.17: v1(42.22,7.25) 42.22,7.78 41.52,8.47 IC4.18
SFP_LOS_FPGA<4>: length 75
  TOP w0.17: J2.F13 v1(95.53,8.97)
  BOTTOM w0.17: v1(95.53,8.97) 94.86,8.3 92.9,8.3 92.5,7.9 92.5,4.9 92.1,4.5 84.7,4.5 80.4,8.8 79.7,8.8 77.8,10.7 77.8,14.2 76.8,15.2 70.7,15.2 69.6,14.1 60.4,14.1 59.1,12.8 59.1,7.3 57.4,5.6 43.7,5.6 42.95,6.36 42.95,7.78 42.02,8.7 IC4.17
SFP_LOS_FPGA<5>: length 63.3
  TOP w0.17: J2.K13 94.97,15.33 93.4,16.9 57.93,16.9 55.53,14.5 49.03,14.5 47.6,13.07 47.6,8.27 45.93,6.6 44.1,6.6 43.67,7.03 v1(43.67,7.25)
  BOTTOM w0.17: IC4.16 42.52,8.93 43.67,7.78 v1(43.67,7.25)
SFP_LOS_FPGA<6>: length 67.8
  TOP w0.17: J2.J15 96.9,13.95 96.9,15.6 97.6,16.3 97.6,17 97.3,17.3 57.77,17.3 55.37,14.9 48.87,14.9 47.2,13.23 47.2,8.43 46.02,7.25 v1(44.41,7.25)
  BOTTOM w0.17: IC4.15 43.02,9.16 44.41,7.78 v1(44.41,7.25)
SFP_LOS_FPGA<7>: length 74
  TOP w0.17: 98.78,9.54 v1(98.21,10.1)
  BOTTOM w0.17: IC4.14 43.52,9.39 45.13,7.78 45.13,6.67 45.8,6 57.3,6 58.6,7.3 58.6,12.9 60.2,14.5 69.3,14.5 70.4,15.6 76.9,15.6 78.3,14.2 78.3,11.1 80.1,9.3 80.6,9.3 84.1,5.8 90.8,5.8 91.3,6.3 91.3,7.9 92.1,8.7 94.3,8.7 95.14,9.54 97.65,9.54 v1(98.21,10.1)
SFP_TD_N: length 6.4
  TOP w0.15: U3.6 19.43,32.73 19.25,32.91 19.25,33.12 19.39,33.12 R23.1 19.62,33.85 19.25,34.24 19.26,35.25 19.18,35.33 19.18,36.14 19.44,36.4 J7.19
SFP_TD_N_1: length 6.4
  TOP w0.15: J12.19 33.69,36.4 33.44,36.14 33.44,35.38 33.51,35.3 33.5,34.24 33.5,34.24 33.88,33.85 R35.1 33.64,33.12 33.49,33.12 33.49,32.91 33.67,32.73 U4.6
SFP_TD_N_2: length 6.4
  TOP w0.15: J16.19 47.94,36.4 47.69,36.14 47.69,35.33 47.76,35.26 47.75,34.24 48.12,33.85 R43.1 47.89,33.12 47.74,33.12 47.74,32.91 47.92,32.73 47.92,31.8
SFP_TD_N_3: length 6.4
  TOP w0.15: J20.19 62.19,36.4 61.94,36.14 61.94,35.37 62,35.3 62,34.23 62.37,33.86 R51.1 62.14,33.12 61.99,33.12 61.99,32.91 62.17,32.73 U6.6
SFP_TD_N_4: length 6.2
  TOP w0.15: U7.6 123.7,31.98 123.7,32.98 R100.1 124.07,33.73 123.79,34.01 123.79,34.19 123.78,34.2 123.78,36.08 123.79,36.09 123.79,36.59 123.89,36.69 J24.19
SFP_TD_N_5: length 6.3
  TOP w0.15: U8.6 109.5,31.93 109.5,33.03 R108.1 109.83,33.85 109.45,34.24 109.46,35.24 109.39,35.32 109.39,36.14 109.64,36.4 J28.19
SFP_TD_N_6: length 6.4
  TOP w0.15: J32.19 95.39,36.4 95.14,36.14 95.14,34.64 95.2,34.57 95.2,34.45 95.2,34.24 95.58,33.85 R116.1 95.34,33.12 95.19,33.12 95.19,32.91 95.38,32.73 U9.6
SFP_TD_N_7: length 6.3
  TOP w0.15: J36.19 81.14,36.54 80.88,36.28 80.88,34.4 80.88,34.23 81.32,33.77 R124.1 81.32,33.22 80.94,32.84 80.94,31.99 U10.6
SFP_TD_P: length 6.4
  TOP w0.15: J7.18 18.64,36.4 18.89,36.14 18.89,35.2 18.96,35.13 18.96,34.24 18.57,33.86 R22.1 18.81,33.12 18.95,33.12 18.95,32.91 18.77,32.73 U3.7
